# KiCad board Soft_Power_Switch_panelized.kicad_pcb (continued)
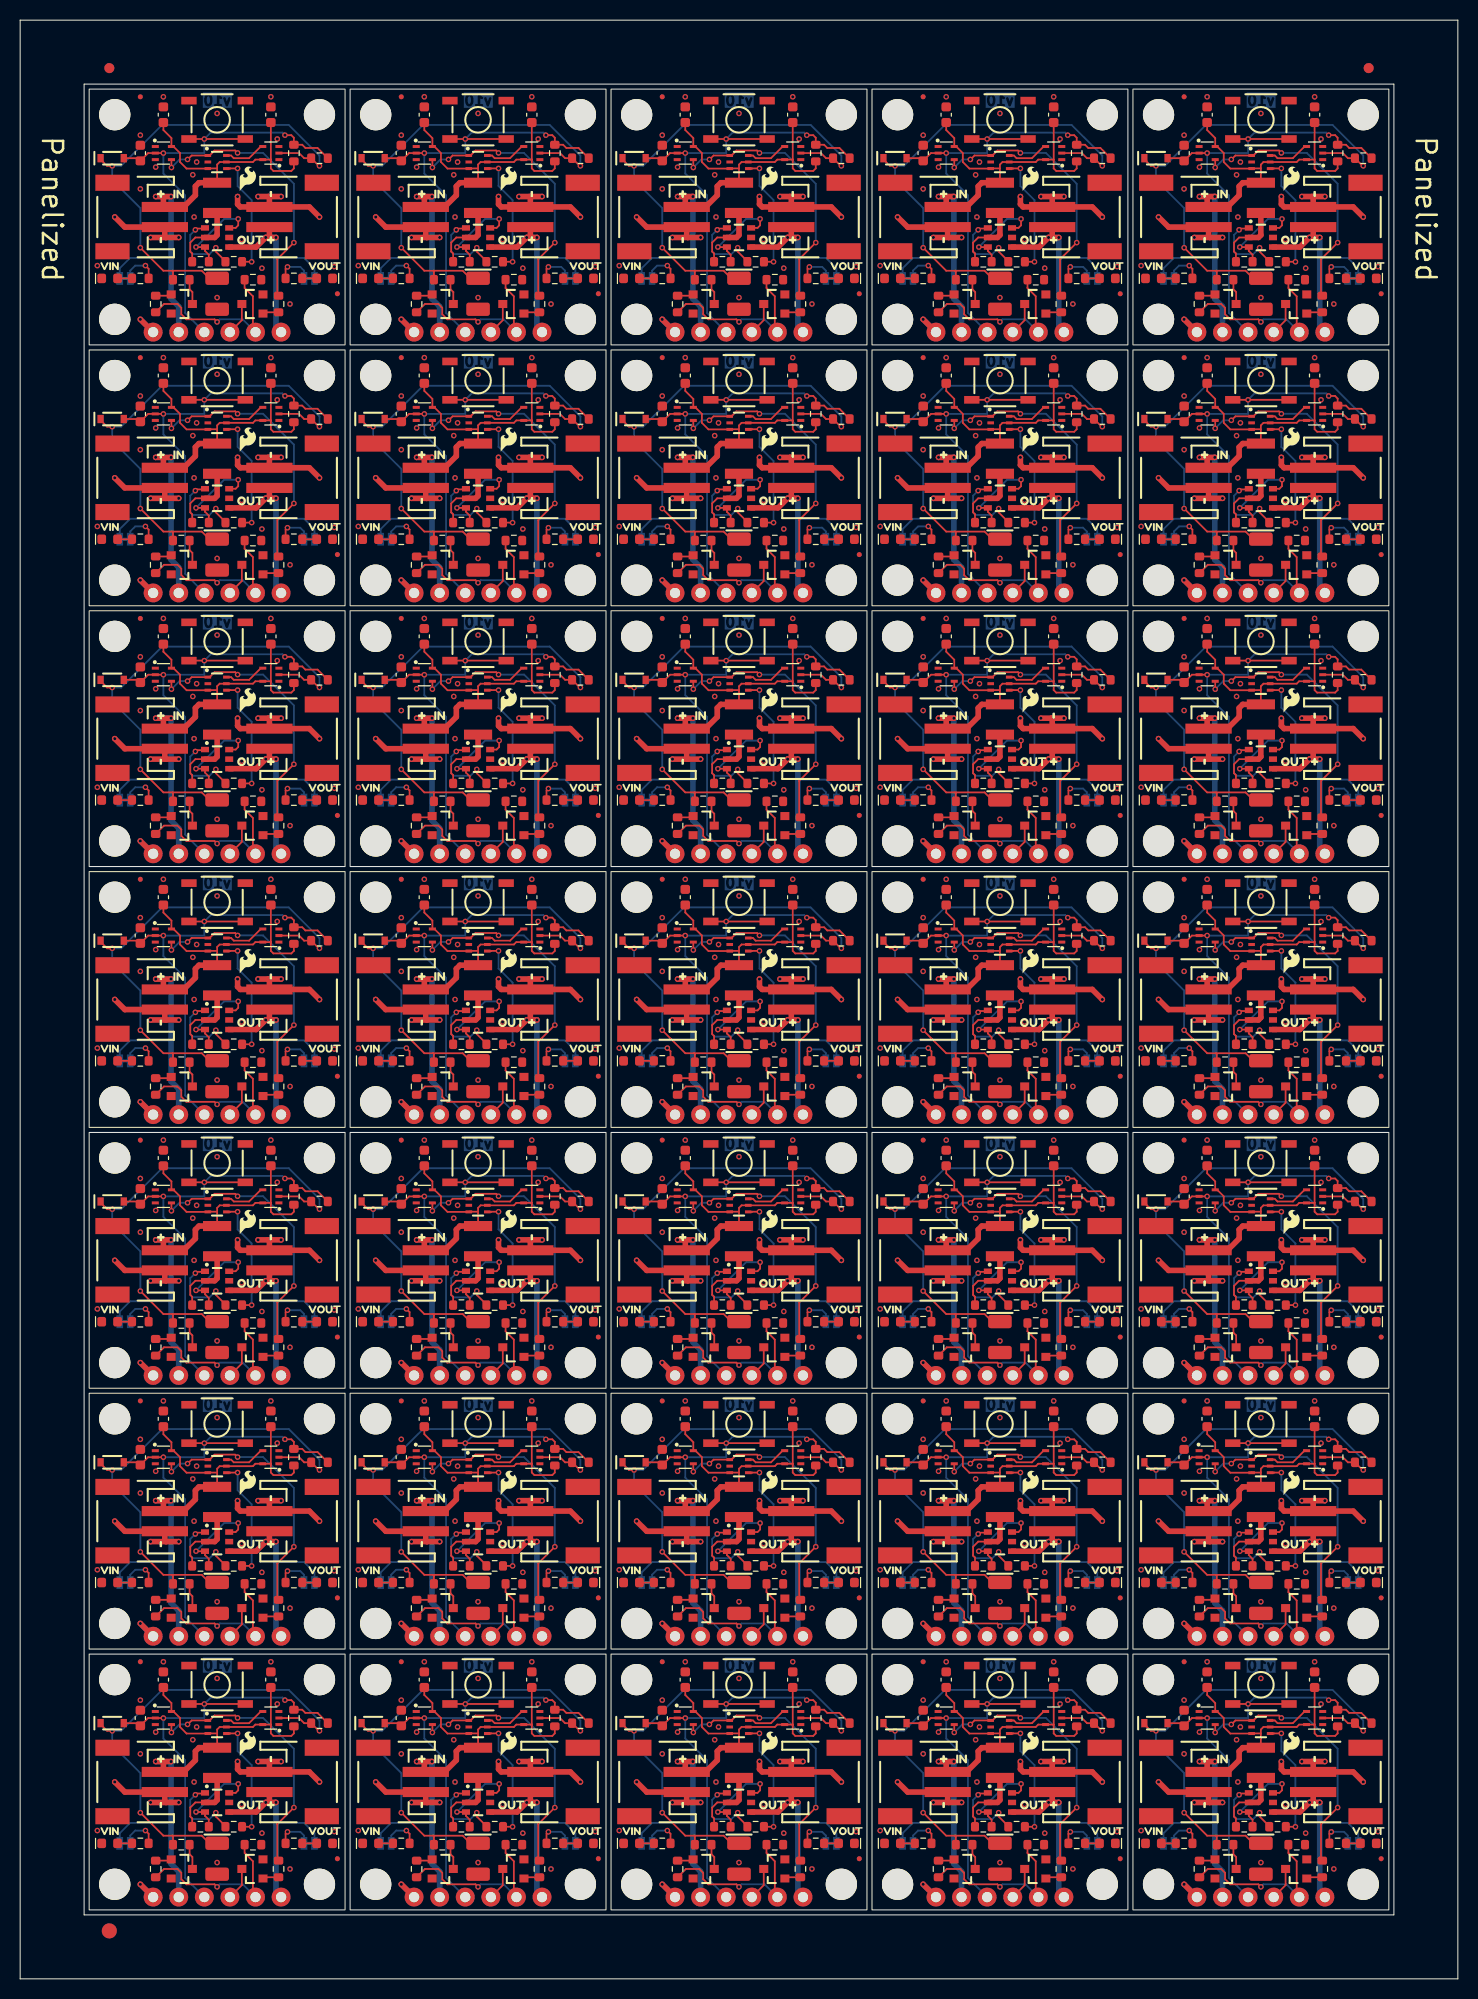
[diagram p0: board, top side]
## Routing (per net, layer and track width the routed paths; a pad name or vN(x,y) marks a point on that pad's centre or on a via; arc(x,y) is an arc through that point) (continued)
Net-(Q3B-1): length 250.5
  Top w0.178: R10#23.2 17.07,145.43 16.88,145.62 16.88,146.51 17.39,147.02 Q3#26.2 ; Q3#2.2 95.09,17.52 94.58,17.01 94.58,16.12 94.77,15.93 R10#12.2 ; Q3#10.2 69.19,121.12 68.68,120.61 68.68,119.72 68.87,119.53 R10#20.2 ; R10#19.2 94.77,93.63 94.58,93.82 94.58,94.71 95.09,95.22 Q3#27.2 ; Q3#35.2 17.39,43.42 16.88,42.91 16.88,42.02 17.07,41.83 R10#15.2 ; Q3#28.2 120.99,43.42 120.48,42.91 120.48,42.02 120.67,41.83 R10#16.2 ; R10#28.2 120.67,119.53 120.48,119.72 120.48,120.61 120.99,121.12 Q3#5.2 ; Q3#11.2 95.09,43.42 94.58,42.91 94.58,42.02 94.77,41.83 R10#4.2 ; R10#22.2 68.87,93.63 68.68,93.82 68.68,94.71 69.19,95.22 Q3#29.2 ; Q3#24.2 17.39,172.92 16.88,172.41 16.88,171.52 17.07,171.33 R10#35.2 ; R10#24.2 120.67,171.33 120.48,171.52 120.48,172.41 120.99,172.92 Q3#3.2 ; R10#17.2 42.97,67.73 42.78,67.92 42.78,68.81 43.29,69.32 Q3#19.2 ; Q3#14.2 69.19,43.42 68.68,42.91 68.68,42.02 68.87,41.83 R10#21.2 ; Q3#25.2 120.99,147.02 120.48,146.51 120.48,145.62 120.67,145.43 R10#32.2 ; Q3#21.2 120.99,69.32 120.48,68.81 120.48,67.92 120.67,67.73 R10#10.2 ; R10#29.2 94.77,171.33 94.58,171.52 94.58,172.41 95.09,172.92 Q3#30.2 ; R10#13.2 68.87,145.43 68.68,145.62 68.68,146.51 69.19,147.02 Q3#23.2 ; R10#11.2 42.97,171.33 42.78,171.52 42.78,172.41 43.29,172.92 Q3#13.2 ; Q3#20.2 17.39,69.32 16.88,68.81 16.88,67.92 17.07,67.73 R10#30.2 ; R10#33.2 42.97,145.43 42.78,145.62 42.78,146.51 43.29,147.02 Q3#7.2 ; R10#14.2 94.77,145.43 94.58,145.62 94.58,146.51 95.09,147.02 Q3#8.2 ; R10#8.2 120.67,15.93 120.48,16.12 120.48,17.01 120.99,17.52 Q3#9.2 ; Q3#17.2 17.39,121.12 16.88,120.61 16.88,119.72 17.07,119.53 R10#2.2 ; Q3#31.2 43.29,17.52 42.78,17.01 42.78,16.12 42.97,15.93 R10#25.2 ; R10.2 94.77,119.53 94.58,119.72 94.58,120.61 95.09,121.12 Q3#18.2 ; R10#6.2 42.97,41.83 42.78,42.02 42.78,42.91 43.29,43.42 Q3#32.2 ; R10#18.2 68.87,67.73 68.68,67.92 68.68,68.81 69.19,69.32 Q3#16.2 ; Q3#12.2 120.99,95.22 120.48,94.71 120.48,93.82 120.67,93.63 R10#26.2 ; R10#9.2 42.97,119.53 42.78,119.72 42.78,120.61 43.29,121.12 Q3#6.2 ; R10#31.2 94.77,67.73 94.58,67.92 94.58,68.81 95.09,69.32 Q3#34.2 ; R10#27.2 17.07,15.93 16.88,16.12 16.88,17.01 17.39,17.52 Q3.2 ; R10#3.2 68.87,15.93 68.68,16.12 68.68,17.01 69.19,17.52 Q3#33.2 ; Q3#15.2 69.19,172.92 68.68,172.41 68.68,171.52 68.87,171.33 R10#34.2 ; Q3#22.2 43.29,95.22 42.78,94.71 42.78,93.82 42.97,93.63 R10#5.2 ; Q3#4.2 17.39,95.22 16.88,94.71 16.88,93.82 17.07,93.63 R10#7.2
  Top w0.559: F1#22.1 19.55,121.36 19.31,121.12 Q3#17.2 ; F1#24.1 45.45,17.76 45.21,17.52 Q3#31.2 ; F1#13.1 123.15,43.66 122.91,43.42 Q3#28.2 ; Q3#11.2 97.01,43.42 97.25,43.66 F1#28.1 ; Q3#4.2 19.31,95.22 19.55,95.46 F1#2.1 ; F1#14.1 123.15,173.16 122.91,172.92 Q3#3.2 ; F1#27.1 97.25,17.76 97.01,17.52 Q3#2.2 ; Q3#19.2 45.21,69.32 45.45,69.56 F1#3.1 ; F1#9.1 45.45,147.26 45.21,147.02 Q3#7.2 ; Q3#12.2 122.91,95.22 123.15,95.46 F1#34.1 ; F1#33.1 19.55,17.76 19.31,17.52 Q3.2 ; F1#11.1 123.15,17.76 122.91,17.52 Q3#9.2 ; Q3#27.2 97.01,95.22 97.25,95.46 F1#12.1 ; F1#16.1 97.25,147.26 97.01,147.02 Q3#8.2 ; F1#20.1 45.45,173.16 45.21,172.92 Q3#13.2 ; Q3#25.2 122.91,147.02 123.15,147.26 F1#10.1 ; F1#32.1 71.35,147.26 71.11,147.02 Q3#23.2 ; Q3#30.2 97.01,172.92 97.25,173.16 F1#23.1 ; F1.1 45.45,121.36 45.21,121.12 Q3#6.2 ; Q3#24.2 19.31,172.92 19.55,173.16 F1#25.1 ; Q3#16.2 71.11,69.32 71.35,69.56 F1#18.1 ; F1#8.1 71.35,173.16 71.11,172.92 Q3#15.2 ; Q3#20.2 19.31,69.32 19.55,69.56 F1#29.1 ; F1#31.1 123.15,121.36 122.91,121.12 Q3#5.2 ; F1#7.1 97.25,69.56 97.01,69.32 Q3#34.2 ; Q3#29.2 71.11,95.22 71.35,95.46 F1#5.1 ; Q3#26.2 19.31,147.02 19.55,147.26 F1#35.1 ; F1#21.1 19.55,43.66 19.31,43.42 Q3#35.2 ; Q3#10.2 71.11,121.12 71.35,121.36 F1#19.1 ; F1#17.1 45.45,95.46 45.21,95.22 Q3#22.2 ; F1#6.1 71.35,17.76 71.11,17.52 Q3#33.2 ; Q3#14.2 71.11,43.42 71.35,43.66 F1#26.1 ; F1#15.1 45.45,43.66 45.21,43.42 Q3#32.2 ; F1#4.1 123.15,69.56 122.91,69.32 Q3#21.2 ; F1#30.1 97.25,121.36 97.01,121.12 Q3#18.2
Net-(U4-CLK): length 940
  Top w0.178: v1(40.92,179.87) U2#32.4 ; v1(42.52,102.97) 42.53,102.97 42.93,103.36 U4#9.1 44.7,103.36 45.2,103.85 47.24,103.85 v1(47.48,103.61) ; R8#33.1 129.12,11.87 129.12,15.36 v1(130.77,17.01) ; R8#2.1 103.22,141.37 103.22,144.86 v1(104.87,146.51) ; 77.45,37.64 77.32,37.77 77.32,41.26 v1(78.97,42.91) ; v1(40.92,153.97) U2#29.4 ; v1(120.22,25.27) 120.23,25.27 120.62,25.66 U4#8.1 122.4,25.66 122.9,26.15 124.94,26.15 v1(125.18,25.91) ; v1(99.28,51.81) 99.04,52.05 97,52.05 96.5,51.56 U4#18.1 94.72,51.56 94.33,51.17 v1(94.32,51.17) ; v1(73.38,77.71) 73.14,77.95 71.1,77.95 70.6,77.46 68.82,77.46 68.43,77.06 v1(68.42,77.06) ; v1(78.97,120.61) 77.32,118.96 77.32,115.47 R8#27.1 ; v1(104.87,17.01) 103.22,15.36 103.22,11.87 R8#8.1 ; v1(68.42,51.17) 68.43,51.17 68.82,51.56 U4.1 70.6,51.56 71.1,52.05 73.14,52.05 v1(73.38,51.81) ; v1(66.82,76.27) U2#19.4 ; v1(15.02,128.06) U2#33.4 ; v1(27.17,172.41) 25.52,170.76 25.52,167.27 R8#25.1 ; v1(68.42,154.76) 68.43,154.76 68.82,155.16 U4#28.1 70.6,155.16 71.1,155.65 73.14,155.65 v1(73.38,155.41) ; v1(42.52,128.87) 42.53,128.87 42.93,129.26 U4#22.1 44.7,129.26 45.2,129.75 47.24,129.75 v1(47.48,129.51) ; v1(47.48,155.41) 47.24,155.65 45.2,155.65 44.7,155.16 U4#11.1 42.93,155.16 42.53,154.76 v1(42.52,154.76) ; v1(118.62,179.87) U2#20.4 ; v1(120.22,154.76) 120.23,154.76 120.62,155.16 U4#12.1 122.4,155.16 122.9,155.65 124.94,155.65 v1(125.18,155.41) ; v1(21.58,181.31) 21.34,181.55 19.3,181.55 18.8,181.06 U4#30.1 17.03,181.06 16.63,180.66 v1(16.62,180.66) ; v1(118.62,153.97) U2#6.4 ; 103.35,37.64 103.22,37.77 103.22,41.26 v1(104.87,42.91) ; v1(68.42,128.87) 68.43,128.87 68.82,129.26 U4#27.1 70.6,129.26 71.1,129.75 73.14,129.75 v1(73.38,129.51) ; R8#16.1 51.42,167.27 51.42,170.76 v1(53.07,172.41) ; v1(47.48,181.31) 47.24,181.55 45.2,181.55 44.7,181.06 U4#31.1 42.93,181.06 42.53,180.66 v1(42.52,180.66) ; v1(68.42,102.97) 68.43,102.97 68.82,103.36 U4#34.1 70.6,103.36 71.1,103.85 73.14,103.85 v1(73.38,103.61) ; R8#12.1 51.42,63.67 51.42,67.16 v1(53.07,68.81) ; v1(21.58,51.81) 21.34,52.05 19.3,52.05 18.8,51.56 U4#25.1 17.03,51.56 16.63,51.17 v1(16.62,51.17) ; R8#30.1 77.32,63.67 77.32,67.16 v1(78.97,68.81) ; v1(104.87,68.81) 103.22,67.16 103.22,63.67 R8#35.1 ; R8#31.1 77.32,141.37 77.32,144.86 v1(78.97,146.51) ; v1(66.82,24.47) U2#11.4 ; R8#34.1 25.52,115.47 25.52,118.96 v1(27.17,120.61) ; v1(40.92,50.37) U2#34.4 ; v1(27.17,17.01) 25.52,15.36 25.52,11.87 R8#4.1 ; v1(40.92,76.27) U2#10.4 ; v1(27.17,42.91) 25.52,41.26 25.52,37.77 25.65,37.64 ; R8#11.1 103.22,115.47 103.22,118.96 v1(104.87,120.61) ; 25.65,89.44 25.52,89.57 25.52,93.06 v1(27.17,94.71) ; v1(16.62,77.06) 16.63,77.06 17.03,77.46 18.8,77.46 19.3,77.95 21.34,77.95 v1(21.58,77.71) ; v1(15.02,76.27) U2#26.4 ; v1(94.32,154.76) 94.33,154.76 94.72,155.16 U4#19.1 96.5,155.16 97,155.65 99.04,155.65 v1(99.28,155.41) ; v1(92.72,128.06) U2#3.4 ; v1(15.02,50.37) U2#8.4 ; v1(15.02,153.97) U2#12.4 ; 103.35,89.44 103.22,89.57 103.22,93.06 v1(104.87,94.71) ; v1(42.52,51.17) 42.53,51.17 42.93,51.56 U4#17.1 44.7,51.56 45.2,52.05 47.24,52.05 v1(47.48,51.81) ; R8#17.1 77.32,11.87 77.32,15.36 v1(78.97,17.01) ; v1(21.58,103.61) 21.34,103.85 19.3,103.85 18.8,103.36 U4#13.1 17.03,103.36 16.63,102.97 v1(16.62,102.97) ; v1(99.28,103.61) 99.04,103.85 97,103.85 96.5,103.36 U4#23.1 94.72,103.36 94.33,102.97 v1(94.32,102.97) ; 51.55,37.64 51.42,37.77 51.42,41.26 v1(53.07,42.91) ; R8#14.1 129.12,167.27 129.12,170.76 v1(130.77,172.41) ; R8#9.1 51.42,115.47 51.42,118.96 v1(53.07,120.61) ; v1(42.52,25.27) 42.53,25.27 42.93,25.66 U4#29.1 44.7,25.66 45.2,26.15 47.24,26.15 v1(47.48,25.91) ; v1(104.87,172.41) 103.22,170.76 103.22,167.27 R8#20.1 ; v1(118.62,50.37) U2#2.4 ; 51.55,89.44 51.42,89.57 51.42,93.06 v1(53.07,94.71) ; v1(66.82,153.97) U2#24.4 ; v1(21.58,25.91) 21.34,26.15 19.3,26.15 18.8,25.66 U4#24.1 17.03,25.66 16.63,25.27 v1(16.62,25.27) ; v1(92.72,153.97) U2#23.4 ; v1(120.22,128.87) 120.23,128.87 120.62,129.26 U4#21.1 122.4,129.26 122.9,129.75 124.94,129.75 v1(125.18,129.51) ; v1(125.18,51.81) 124.94,52.05 122.9,52.05 122.4,51.56 U4#2.1 120.62,51.56 120.23,51.17 v1(120.22,51.17) ; v1(68.42,25.27) 68.43,25.27 68.82,25.66 U4#14.1 70.6,25.66 71.1,26.15 73.14,26.15 v1(73.38,25.91) ; v1(68.42,180.66) 68.43,180.66 68.82,181.06 U4#6.1 70.6,181.06 71.1,181.55 73.14,181.55 v1(73.38,181.31) ; 129.25,89.44 129.12,89.57 129.12,93.06 v1(130.77,94.71) ; v1(118.62,76.27) U2#4.4 ; R8#22.1 129.12,141.37 129.12,144.86 v1(130.77,146.51) ; R8#15.1 77.32,167.27 77.32,170.76 v1(78.97,172.41) ; v1(15.02,179.87) U2#5.4 ; v1(130.77,42.91) 129.12,41.26 129.12,37.77 129.25,37.64 ; v1(118.62,24.47) U2#25.4 ; v1(99.28,129.51) 99.04,129.75 97,129.75 96.5,129.26 U4#32.1 94.72,129.26 94.33,128.87 v1(94.32,128.87) ; v1(92.72,76.27) U2#9.4 ; v1(21.58,155.41) 21.34,155.65 19.3,155.65 18.8,155.16 U4#15.1 17.03,155.16 16.63,154.76 v1(16.62,154.76) ; v1(27.17,146.51) 25.52,144.86 25.52,141.37 R8#21.1 ; v1(125.18,103.61) 124.94,103.85 122.9,103.85 122.4,103.36 U4#4.1 120.62,103.36 120.23,102.97 v1(120.22,102.97) ; v1(99.28,77.71) 99.04,77.95 97,77.95 96.5,77.46 94.72,77.46 94.33,77.06 v1(94.32,77.06) ; v1(130.77,68.81) 129.12,67.16 129.12,63.67 R8.1 ; v1(53.07,17.01) 51.42,15.36 51.42,11.87 R8#6.1 ; v1(118.62,128.06) U2#28.4 ; v1(125.18,181.31) 124.94,181.55 122.9,181.55 122.4,181.06 U4#35.1 120.62,181.06 120.23,180.66 v1(120.22,180.66) ; v1(40.92,102.17) U2#17.4 ; v1(66.82,102.17) U2#13.4 ; v1(92.72,24.47) U2#7.4 ; v1(130.77,120.61) 129.12,118.96 129.12,115.47 R8#7.1 ; v1(40.92,24.47) U2#14.4 ; v1(66.82,179.87) U2#16.4 ; v1(16.62,128.87) 16.63,128.87 17.03,129.26 U4#20.1 18.8,129.26 19.3,129.75 21.34,129.75 v1(21.58,129.51) ; v1(66.82,50.37) U2#30.4 ; R8#29.1 25.52,63.67 25.52,67.16 v1(27.17,68.81) ; v1(40.92,128.06) U2#35.4 ; v1(118.62,102.17) U2#22.4 ; v1(15.02,24.47) U2.4 ; 77.45,89.44 77.32,89.57 77.32,93.06 v1(78.97,94.71) ; v1(125.18,77.71) 124.94,77.95 122.9,77.95 122.4,77.46 120.62,77.46 120.23,77.06 v1(120.22,77.06) ; v1(47.48,77.71) 47.24,77.95 45.2,77.95 44.7,77.46 42.93,77.46 42.53,77.06 v1(42.52,77.06) ; v1(94.32,180.66) 94.33,180.66 94.72,181.06 U4#3.1 96.5,181.06 97,181.55 99.04,181.55 v1(99.28,181.31) ; v1(92.72,102.17) U2#15.4 ; v1(66.82,128.06) U2#21.4 ; v1(94.32,25.27) 94.33,25.27 94.72,25.66 U4#5.1 96.5,25.66 97,26.15 99.04,26.15 v1(99.28,25.91) ; v1(15.02,102.17) U2#31.4 ; v1(53.07,146.51) 51.42,144.86 51.42,141.37 R8#19.1 ; v1(92.72,179.87) U2#27.4 ; v1(92.72,50.37) U2#18.4
  Bottom w0.178: v1(15.02,24.47) 15.82,25.27 v1(16.62,25.27) ; v1(120.22,51.17) 119.42,51.17 v1(118.62,50.37) ; v1(66.82,128.06) 67.62,128.87 v1(68.42,128.87) ; v1(120.22,102.97) 119.42,102.97 v1(118.62,102.17) ; v1(53.07,172.41) 53.07,178.25 50.01,181.31 v1(47.48,181.31) ; v1(27.17,120.61) 27.17,126.45 24.11,129.51 v1(21.58,129.51) ; v1(78.97,94.71) 78.97,100.55 75.91,103.61 v1(73.38,103.61) ; v1(68.42,180.66) 67.62,180.66 v1(66.82,179.87) ; v1(68.42,51.17) 67.62,51.17 v1(66.82,50.37) ; v1(78.97,68.81) 78.97,74.65 75.91,77.71 v1(73.38,77.71) ; v1(73.38,51.81) 75.91,51.81 78.97,48.75 v1(78.97,42.91) ; v1(40.92,24.47) 41.72,25.27 v1(42.52,25.27) ; v1(94.32,25.27) 93.52,25.27 v1(92.72,24.47) ; v1(78.97,172.41) 78.97,178.25 75.91,181.31 v1(73.38,181.31) ; v1(27.17,94.71) 27.17,100.55 24.11,103.61 v1(21.58,103.61) ; v1(27.17,172.41) 27.17,178.25 24.11,181.31 v1(21.58,181.31) ; v1(16.62,102.97) 15.82,102.97 v1(15.02,102.17) ; v1(66.82,102.17) 67.62,102.97 v1(68.42,102.97) ; v1(68.42,77.06) 67.62,77.06 v1(66.82,76.27) ; v1(15.02,153.97) 15.82,154.76 v1(16.62,154.76) ; v1(53.07,146.51) 53.07,152.35 50.01,155.41 v1(47.48,155.41) ; v1(16.62,180.66) 15.82,180.66 v1(15.02,179.87) ; v1(78.97,146.51) 78.97,152.35 75.91,155.41 v1(73.38,155.41) ; v1(53.07,94.71) 53.07,100.55 50.01,103.61 v1(47.48,103.61) ; v1(104.87,94.71) 104.87,100.55 101.81,103.61 v1(99.28,103.61) ; v1(40.92,76.27) 41.72,77.06 v1(42.52,77.06) ; v1(125.18,77.71) 127.71,77.71 130.77,74.65 v1(130.77,68.81) ; v1(92.72,50.37) 93.52,51.17 v1(94.32,51.17) ; v1(40.92,50.37) 41.72,51.17 v1(42.52,51.17) ; v1(53.07,120.61) 53.07,126.45 50.01,129.51 v1(47.48,129.51) ; v1(27.17,17.01) 27.17,22.85 24.11,25.91 v1(21.58,25.91) ; v1(92.72,179.87) 93.52,180.66 v1(94.32,180.66) ; v1(66.82,24.47) 67.62,25.27 v1(68.42,25.27) ; v1(99.28,51.81) 101.81,51.81 104.87,48.75 v1(104.87,42.91) ; v1(78.97,120.61) 78.97,126.45 75.91,129.51 v1(73.38,129.51) ; v1(130.77,17.01) 130.77,22.85 127.71,25.91 v1(125.18,25.91) ; v1(92.72,76.27) 93.52,77.06 v1(94.32,77.06) ; v1(118.62,153.97) 119.42,154.76 v1(120.22,154.76) ; v1(99.28,155.41) 101.81,155.41 104.87,152.35 v1(104.87,146.51) ; v1(42.52,128.87) 41.72,128.87 v1(40.92,128.06) ; v1(125.18,155.41) 127.71,155.41 130.77,152.35 v1(130.77,146.51) ; v1(27.17,68.81) 27.17,74.65 24.11,77.71 v1(21.58,77.71) ; v1(78.97,17.01) 78.97,22.85 75.91,25.91 v1(73.38,25.91) ; v1(16.62,77.06) 15.82,77.06 v1(15.02,76.27) ; v1(120.22,25.27) 119.42,25.27 v1(118.62,24.47) ; v1(40.92,102.17) 41.72,102.97 v1(42.52,102.97) ; v1(118.62,179.87) 119.42,180.66 v1(120.22,180.66) ; v1(15.02,128.06) 15.82,128.87 v1(16.62,128.87) ; v1(21.58,51.81) 24.11,51.81 27.17,48.75 v1(27.17,42.91) ; v1(94.32,154.76) 93.52,154.76 v1(92.72,153.97) ; v1(40.92,153.97) 41.72,154.76 v1(42.52,154.76) ; v1(99.28,181.31) 101.81,181.31 104.87,178.25 v1(104.87,172.41) ; v1(104.87,120.61) 104.87,126.45 101.81,129.51 v1(99.28,129.51) ; v1(118.62,76.27) 119.42,77.06 v1(120.22,77.06) ; v1(94.32,102.97) 93.52,102.97 v1(92.72,102.17) ; v1(15.02,50.37) 15.82,51.17 v1(16.62,51.17) ; v1(125.18,51.81) 127.71,51.81 130.77,48.75 v1(130.77,42.91) ; v1(92.72,128.06) 93.52,128.87 v1(94.32,128.87) ; v1(53.07,68.81) 53.07,74.65 50.01,77.71 v1(47.48,77.71) ; v1(21.58,155.41) 24.11,155.41 27.17,152.35 v1(27.17,146.51) ; v1(118.62,128.06) 119.42,128.87 v1(120.22,128.87) ; v1(53.07,42.91) 53.07,48.75 50.01,51.81 v1(47.48,51.81) ; v1(125.18,181.31) 127.71,181.31 130.77,178.25 v1(130.77,172.41) ; v1(125.18,103.61) 127.71,103.61 130.77,100.55 v1(130.77,94.71) ; v1(99.28,25.91) 101.81,25.91 104.87,22.85 v1(104.87,17.01) ; v1(68.42,154.76) 67.62,154.76 v1(66.82,153.97) ; v1(47.48,25.91) 50.01,25.91 53.07,22.85 v1(53.07,17.01) ; v1(125.18,129.51) 127.71,129.51 130.77,126.45 v1(130.77,120.61) ; v1(99.28,77.71) 101.81,77.71 104.87,74.65 v1(104.87,68.81) ; v1(42.52,180.66) 41.72,180.66 v1(40.92,179.87)
Net-(U4-~{CLR}): length 147.2
  Top w0.178: U4#6.6 72.73,181.06 73,180.79 74.53,180.79 75.68,181.95 U3#13.4 ; U4#21.6 124.53,129.26 124.8,128.99 126.32,128.99 127.48,130.15 U3#26.4 ; U3#4.4 101.58,181.95 100.43,180.79 98.9,180.79 98.63,181.06 U4#3.6 ; U3#2.4 75.68,130.15 74.53,128.99 73,128.99 72.73,129.26 U4#27.6 ; U4#19.6 98.63,155.16 98.9,154.89 100.43,154.89 101.58,156.05 U3#19.4 ; U3#30.4 127.48,26.55 126.32,25.39 124.8,25.39 124.53,25.66 U4#8.6 ; U4#29.6 46.83,25.66 47.1,25.39 48.62,25.39 49.78,26.55 U3#22.4 ; U4#24.6 20.93,25.66 21.2,25.39 22.72,25.39 23.88,26.55 U3#25.4 ; U3#8.4 23.88,52.45 22.72,51.29 21.2,51.29 20.93,51.56 U4#25.6 ; U3#34.4 49.78,156.05 48.62,154.89 47.1,154.89 46.83,155.16 U4#11.6 ; U3#6.4 101.58,130.15 100.43,128.99 98.9,128.99 98.63,129.26 U4#32.6 ; U4#13.6 20.93,103.36 21.2,103.09 22.72,103.09 23.88,104.25 U3#3.4 ; U4#12.6 124.53,155.16 124.8,154.89 126.32,154.89 127.48,156.05 U3#11.4 ; U4#28.6 72.73,155.16 73,154.89 74.53,154.89 75.68,156.05 U3#14.4 ; U4#4.6 124.53,103.36 124.8,103.09 126.32,103.09 127.48,104.25 U3#9.4 ; 98.17,77.46 98.63,77.46 98.9,77.19 100.43,77.19 101.58,78.35 U3#32.4 ; U4#20.6 20.93,129.26 21.2,128.99 22.72,128.99 23.88,130.15 U3#23.4 ; U4#14.6 72.73,25.66 73,25.39 74.53,25.39 75.68,26.55 U3#18.4 ; U4#18.6 98.63,51.56 98.9,51.29 100.43,51.29 101.58,52.45 U3#12.4 ; U4#22.6 46.83,129.26 47.1,128.99 48.62,128.99 49.78,130.15 U3.4 ; U4#30.6 20.93,181.06 21.2,180.79 22.72,180.79 23.88,181.95 U3#29.4 ; U4#31.6 46.83,181.06 47.1,180.79 48.62,180.79 49.78,181.95 U3#35.4 ; U3#21.4 49.78,104.25 48.62,103.09 47.1,103.09 46.83,103.36 U4#9.6 ; U4#2.6 124.53,51.56 124.8,51.29 126.32,51.29 127.48,52.45 U3#24.4 ; U3#15.4 75.68,78.35 74.53,77.19 73,77.19 72.73,77.46 72.27,77.46 ; U4#23.6 98.63,103.36 98.9,103.09 100.43,103.09 101.58,104.25 U3#17.4 ; U4#5.6 98.63,25.66 98.9,25.39 100.43,25.39 101.58,26.55 U3#16.4 ; U3#28.4 127.48,78.35 126.32,77.19 124.8,77.19 124.53,77.46 124.07,77.46 ; U3#10.4 23.88,156.05 22.72,154.89 21.2,154.89 20.93,155.16 U4#15.6 ; U4#17.6 46.83,51.56 47.1,51.29 48.62,51.29 49.78,52.45 U3#5.4 ; 20.47,77.46 20.93,77.46 21.2,77.19 22.72,77.19 23.88,78.35 U3#31.4 ; U3#27.4 49.78,78.35 48.62,77.19 47.1,77.19 46.83,77.46 46.37,77.46 ; U4.6 72.73,51.56 73,51.29 74.53,51.29 75.68,52.45 U3#7.4 ; U3#20.4 127.48,181.95 126.32,180.79 124.8,180.79 124.53,181.06 U4#35.6 ; U4#34.6 72.73,103.36 73,103.09 74.53,103.09 75.68,104.25 U3#33.4

## Copper pours and planes (outline as drawn; the poured copper is in the pictures)
GND on Top, Bottom: 84.55,6.85 84.55,32.25 109.95,32.25 109.95,6.85
GND on Top, Bottom: 58.65,6.85 58.65,32.25 84.05,32.25 84.05,6.85
GND on Top, Bottom: 110.45,162.25 110.45,187.65 135.85,187.65 135.85,162.25
GND on Top, Bottom: 58.65,136.35 58.65,161.75 84.05,161.75 84.05,136.35
GND on Top, Bottom: 6.85,110.45 6.85,135.85 32.25,135.85 32.25,110.45
GND on Top, Bottom: 6.85,32.75 6.85,58.15 32.25,58.15 32.25,32.75
GND on Top, Bottom: 110.45,84.55 110.45,109.95 135.85,109.95 135.85,84.55
GND on Top, Bottom: 84.55,162.25 84.55,187.65 109.95,187.65 109.95,162.25
GND on Top, Bottom: 32.75,84.55 32.75,109.95 58.15,109.95 58.15,84.55
GND on Top, Bottom: 110.45,58.65 110.45,84.05 135.85,84.05 135.85,58.65
GND on Top, Bottom: 84.55,58.65 84.55,84.05 109.95,84.05 109.95,58.65
GND on Top, Bottom: 110.45,32.75 110.45,58.15 135.85,58.15 135.85,32.75
GND on Top, Bottom: 32.75,162.25 32.75,187.65 58.15,187.65 58.15,162.25
GND on Top, Bottom: 58.65,32.75 58.65,58.15 84.05,58.15 84.05,32.75
GND on Top, Bottom: 32.75,32.75 32.75,58.15 58.15,58.15 58.15,32.75
GND on Top, Bottom: 6.85,136.35 6.85,161.75 32.25,161.75 32.25,136.35
GND on Top, Bottom: 58.65,58.65 58.65,84.05 84.05,84.05 84.05,58.65
GND on Top, Bottom: 84.55,110.45 84.55,135.85 109.95,135.85 109.95,110.45
GND on Top, Bottom: 58.65,110.45 58.65,135.85 84.05,135.85 84.05,110.45
GND on Top, Bottom: 32.75,58.65 32.75,84.05 58.15,84.05 58.15,58.65
GND on Top, Bottom: 58.65,84.55 58.65,109.95 84.05,109.95 84.05,84.55
GND on Top, Bottom: 6.85,58.65 6.85,84.05 32.25,84.05 32.25,58.65
GND on Top, Bottom: 84.55,84.55 84.55,109.95 109.95,109.95 109.95,84.55
GND on Top, Bottom: 58.65,162.25 58.65,187.65 84.05,187.65 84.05,162.25
GND on Top, Bottom: 110.45,110.45 110.45,135.85 135.85,135.85 135.85,110.45
GND on Top, Bottom: 6.85,6.85 6.85,32.25 32.25,32.25 32.25,6.85
GND on Top, Bottom: 84.55,136.35 84.55,161.75 109.95,161.75 109.95,136.35
GND on Top, Bottom: 6.85,162.25 6.85,187.65 32.25,187.65 32.25,162.25
GND on Top, Bottom: 84.55,32.75 84.55,58.15 109.95,58.15 109.95,32.75
GND on Top, Bottom: 110.45,136.35 110.45,161.75 135.85,161.75 135.85,136.35
GND on Top, Bottom: 32.75,6.85 32.75,32.25 58.15,32.25 58.15,6.85
GND on Top, Bottom: 32.75,136.35 32.75,161.75 58.15,161.75 58.15,136.35
GND on Top, Bottom: 32.75,110.45 32.75,135.85 58.15,135.85 58.15,110.45
GND on Top, Bottom: 6.85,84.55 6.85,109.95 32.25,109.95 32.25,84.55
GND on Top, Bottom: 110.45,6.85 110.45,32.25 135.85,32.25 135.85,6.85

## Text on the board
Bottom: v10
User.Comments: V-SCORE
F.Fab: Layers: 2 | Solder Mask: Red | Silkscreen Color: White | Thickness: 1.6mm | Finish: HASL | Copper Weight: 1oz | Ordering Notes
F.Silkscreen: Panelized
